# Altium PCB 2-quilter-output.PcbDoc (part 15 of 26)
Units mil, origin at the board's own origin, x right, y up, seen from the top; angles counter-clockwise.
Board outline 4130.55 x 4250 mil, 8 copper layers (L1, Ground L2, L3, Power L4, Ground L5, L6, Ground L7, L8), stack 62.985 mil thick; 591 components, 494 nets, 2245 pads, 1508 vias.
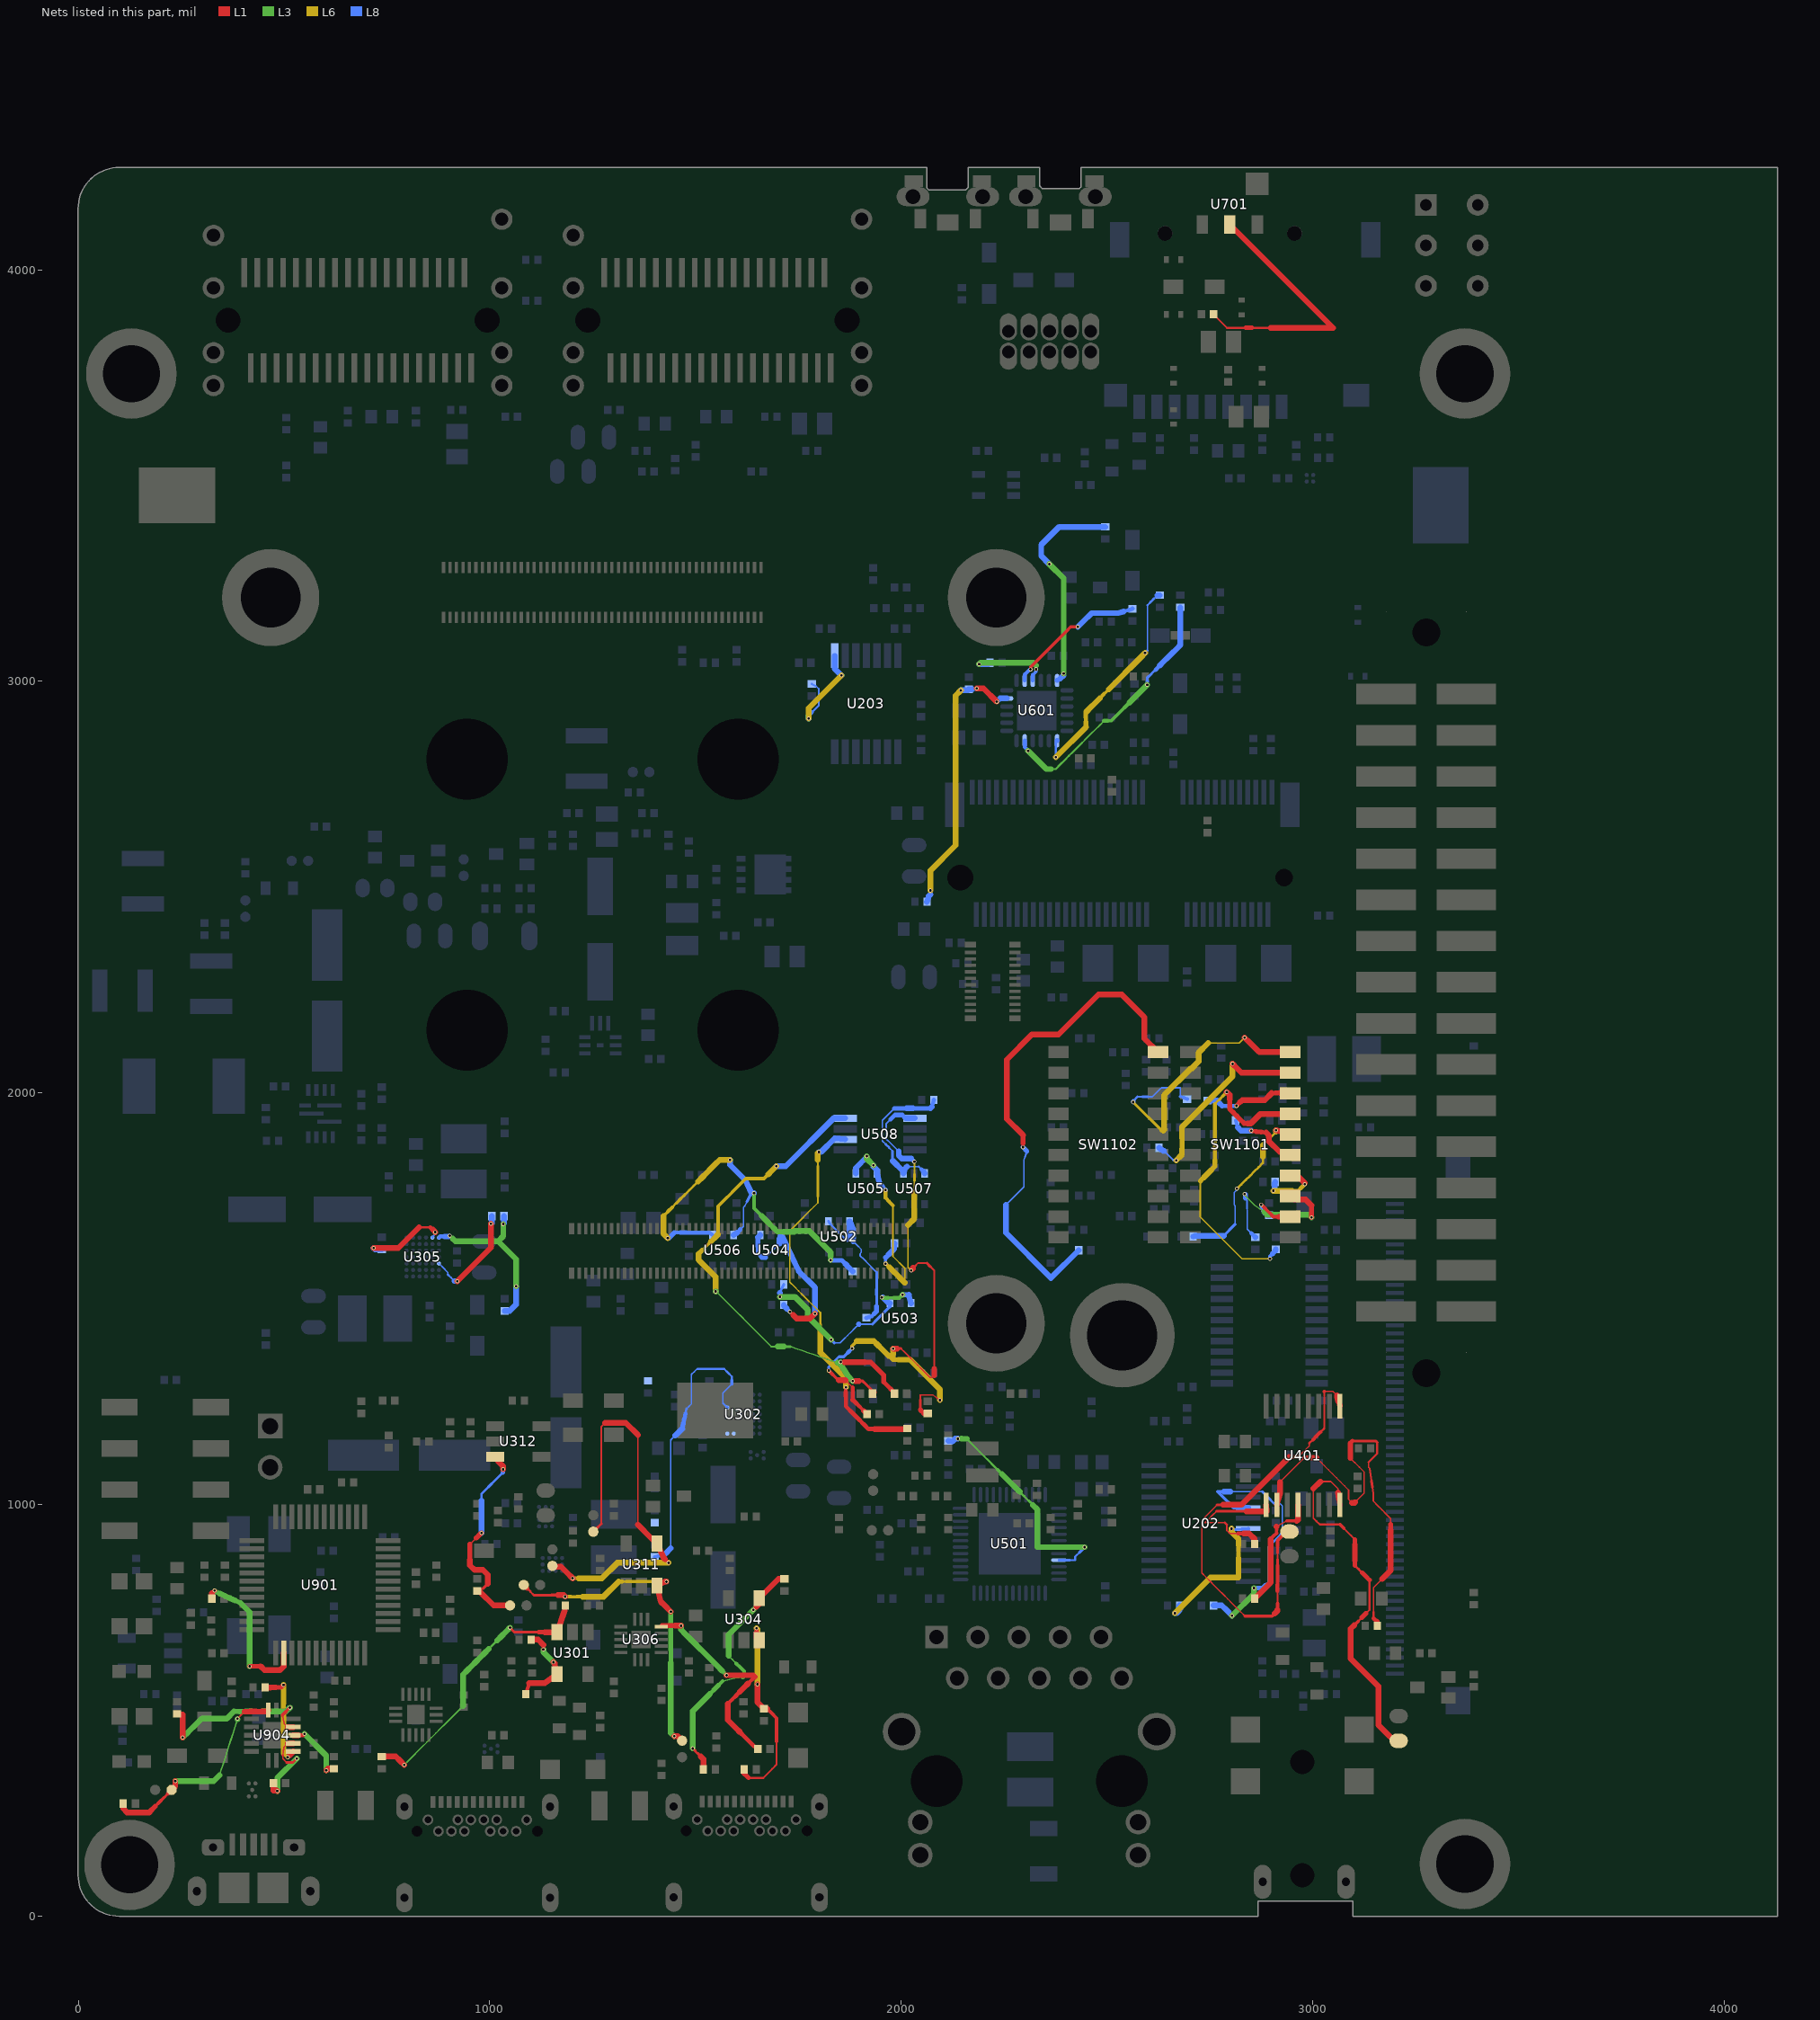
[diagram p21: the nets of this part, all layers, seen from the top]

## Via types
v1: diameter 9.85, hole 5.91, L1 to L8, tented both sides, 1508 vias

## Nets (pads, with @x,y where several pads share a name; then routed paths per layer and width w, separated by ;. In a path a pad name is that pad's centre, name@x,y a point inside that pad or via, vN(x,y) a via of type N, cw(c..) or ccw(c..) an arc to the next point about the centre after c; other vN are vias at no path point) (continued)
NetR212_2: R212.2 U202.5 | length 648.9
  L3 w14.05: v1(2804.55,729.19) 2857.74,782.38 v1(2857.74,796.41)
  L8 w3.5: 2907.6,1001.1 2921.78,1001.1 2926.75,996.13 2926.75,982.98 2926.75,969.83 2926.75,956.68 2926.75,943.54 2926.75,930.39
  L8 w3.83: 2800.5,1030.79 2815.98,1030.79 2831.47,1030.79 2846.95,1030.79 2862.43,1030.79 2877.91,1030.79
  L8 w5.87: 2877.91,1030.79 2887.81,1020.89 ; 2894.4,811.81 2894.4,826.18 2894.4,840.55 2894.4,854.92 2894.4,869.3 2894.4,883.67 2894.4,898.04 2905.18,908.82 2915.97,919.6 2926.75,930.39 ; 2897.7,1010.99 2907.6,1001.1
  L8 w6.9: 2887.81,1020.89 2897.7,1010.99
  L8 w7.92: 2785.02,1030.79 2769.54,1030.79 2779.24,1021.07 2788.94,1011.36 2798.65,1001.66 2808.36,991.95 U202.5@2820.29,991.95
  L8 w8.94: 2887.96,802.86 2894.4,809.31 2894.4,811.81
  L8 w10.99: v1(2857.74,796.41) 2869.62,796.41 2881.5,796.41
  L8 w14.05: R212.2@2759.8,754.16 2779.56,754.17 2792.05,741.68 v1(2804.55,729.19) ; 2785.02,1030.79 2800.5,1030.79 ; U202.5@2820.29,991.95 2832.23,991.95 U202.5@2844.15,991.96 ; 2881.51,796.41 2887.96,802.86
NetR213_2: R213.2 U202.7 | length 384.2
  L6 w10.99: 2820.14,869.16 2820.14,884.8 2820.14,900.45
  L6 w14.05: v1(2665.43,735.35) 2752.28,822.2 2820.14,822.21 2820.14,837.87 2820.14,853.51 2820.14,869.16 ; v1(2803.37,940.74) 2803.37,932.86 2820.14,916.09 2820.14,900.45
  L8 w6.9: v1(2803.37,940.74) 2805.34,938.77 2814.17,938.77 U202.7@2829.17,939.77
  L8 w8.94: U202.7@2829.17,939.77 U202.7@2844.15,940.78
  L8 w14.05: v1(2665.43,735.35) 2670.17,735.35 2676.85,742.03 R213.2@2676.85,754.16
NetR214_2: R214.2 U203.8 | length 295.7
  L6 w14.05: v1(1775.18,2909.42) 1775.18,2934.38 v1(1854.97,3014.16)
  L8 w3.83: 1793.64,2987.74 1799.92,2981.45
  L8 w4.85: R214.2@1782.9,2993.53 1793.64,2987.74 ; 1783.43,2924.6 1791.67,2932.85 1799.92,2941.1 1799.92,2954.55 1799.92,2968 1799.92,2981.45
  L8 w9.96: 1775.18,2916.36 1783.43,2924.6
  L8 w14.05: v1(1775.18,2909.42) 1775.18,2916.36 ; U203.8@1838.81,3062.02 1838.8,3030.33 1846.88,3022.25 v1(1854.97,3014.16)
NetR304_2: R304.2 R314.1 U301.4 | length 221
  L1 w7.92: v1(1130.48,647.38) 1130.48,658.21
  L1 w8.94: R314.1@1088.01,538.34 1092.11,552 1096.2,565.66
  L1 w14.05: 1096.21,565.66 1134.1,565.66 U301.4@1163.8,587.13 1157.79,613.23 v1(1154.65,616.37) ; R304.2@1100.93,671.14 1117.54,671.14 1130.48,658.21
  L3 w14.05: v1(1130.48,647.38) 1130.48,640.54 v1(1154.65,616.37)
NetR306_2: R306.2 R313.1 U301.3 | length 690.5
  L1 w6.9: v1(1049.49,700.16) 1060.52,689.13 1075.28,689.13 1090.03,689.13 1104.78,689.13 1119.54,689.13
  L1 w10.99: 1119.54,689.13 1134.29,689.13
  L1 w14.05: R306.2@737.82,387.09 771.74,387.09 781.94,376.88 v1(792.14,366.68) ; 1134.29,689.13 1149.05,689.13 U301.3@1163.8,689.13 1181.21,739.47 1182.77,741.03 1182.77,750.49 R313.1@1183.88,754.16
  L3 w3.5: v1(792.14,366.68) 803.17,377.71 814.2,388.73 825.22,399.76 836.25,410.79 847.28,421.81 858.3,432.84 869.33,443.86 880.36,454.89 891.38,465.92 902.41,476.94 913.44,487.97 924.46,499 935.49,510.02
  L3 w4.85: 997.67,648.34 1008.04,658.71
  L3 w5.87: 1008.04,658.71 1018.4,669.07
  L3 w14.05: 935.49,510.02 935.49,586.16 945.85,596.52 956.22,606.89 966.58,617.25 976.94,627.62 987.31,637.98 997.67,648.34 ; 1018.4,669.07 1028.76,679.44 1039.13,689.8 v1(1049.49,700.16)
NetR318_2: R318.2 R322.1 U304.4 | length 623.8
  L1 w5.87: 1499.88,400.15 1506.36,393.68
  L1 w6.9: v1(1493.4,406.63) 1499.88,400.15
  L1 w7.92: 1506.36,393.68 1512.83,387.2 ; v1(1641.22,743.66) 1648.37,750.81
  L1 w14.05: 1512.83,387.2 1519.31,380.72 R318.2@1519.31,355.72 ; 1648.37,750.81 1655.51,757.95 U304.4@1655.51,771.77 ; U304.4@1655.51,771.77 1702.46,818.72 1706.54,818.72 R322.1@1716.55,818.73
  L3 w3.5: 1566.12,570.03 1578.43,573.04 1590.73,576.06 1603.03,579.08 1615.33,582.09
  L3 w3.83: 1580.68,632.09 1590.08,622.7 1599.47,613.3
  L3 w8.94: 1555.74,559.64 1566.12,570.03 ; 1599.47,613.3 1608.86,603.91 1618.25,594.52 1618.26,585.01
  L3 w9.96: 1534.96,538.86 1545.35,549.25
  L3 w12.01: 1545.35,549.25 1555.74,559.64
  L3 w14.05: v1(1493.4,406.63) 1493.4,497.3 1503.79,507.69 1514.18,518.08 1524.57,528.47 1534.96,538.86 ; 1580.68,632.09 1580.68,683.13 v1(1641.22,743.66) ; 1615.34,582.09 1618.26,585.01
NetR319_2: R319.2 R321.1 U304.3 | length 494.1
  L1 w3.83: 1665.09,335.18 1675.86,345.96 1686.64,356.73
  L1 w4.85: 1629.37,335.18 1641.05,335.18 1653.07,335.18 1665.09,335.18 ; 1686.64,356.73 1697.41,367.51 1697.41,381.63 1697.41,395.75 1697.41,409.87 1697.41,423.99
  L1 w7.92: R321.1@1674.6,503.29 1682.2,495.68 ; 1689.81,488.08 1697.41,480.47 1697.41,466.35 1697.41,452.23 1697.41,438.11 1697.41,423.99
  L1 w8.94: U304.3@1648.76,687.65 v1(1648.76,698.77) ; 1682.2,495.68 1689.81,488.08
  L1 w10.99: 1618.84,345.71 1629.37,335.18
  L1 w14.05: 1618.84,345.71 R319.2@1618.84,355.72 ; U304.3@1648.76,687.65 1648.76,676.54 U304.3@1655.51,669.77 ; v1(1651.01,562.48) 1651.01,545.26 1651.01,519.05 R321.1@1666.78,503.3 R321.1@1674.6,503.29
  L6 w14.05: v1(1648.76,698.77) 1651.01,696.53 v1(1651.01,562.48)
NetR327_1: R327.1 U306.5 | length 519.3
  L1 w8.94: 1578.59,514.94 1588.54,524.89 1598.49,534.84
  L1 w9.96: U306.5@1417.4,702.65 U306.5@1419.6,704.87 ; 1618.91,435.75 1628.99,425.67 1639.07,415.59 R327.1@1649.15,405.51 ; 1628.33,564.68 1638.28,574.63 1644.23,580.58
  L1 w10.99: 1598.49,534.84 1608.44,544.79 ; 1608.83,445.83 1618.91,435.75
  L1 w12.01: U306.5@1419.6,704.87 1429.11,704.87 1438.63,704.87 1451.12,704.87
  L1 w14.05: 1451.12,704.87 v1(1465.32,704.87) ; v1(1575.87,584.6) 1590.34,584.6 1604.81,584.6 1619.28,584.6 1633.75,584.6 1640.22,584.6 1644.23,580.59 ; 1578.59,514.94 1578.59,476.07 1588.67,465.99 1598.75,455.91 1608.83,445.83 ; 1608.44,544.79 1618.38,554.74 1628.33,564.68 ; R327.1@1649.15,405.51 R327.1@1652.02,405.53
  L3 w9.96: 1564.82,595.66 v1(1575.87,584.6)
  L3 w14.05: v1(1465.32,704.87) 1465.32,695.16 1476.37,684.1 1487.43,673.05 1498.48,661.99 1509.54,650.93 1520.6,639.88 1531.65,628.82 1542.71,617.77 1553.76,606.71 1564.82,595.66
NetR328_2: R328.2 U302.A2
NetR329_2: R329.2 U302.E1 | length 685.6
  L8 w3.5: 1440.32,892.99 1440.32,899.04 1440.32,914.18 1440.32,929.31 1440.32,944.45 1440.32,959.58 1440.32,974.72 1440.32,989.85 1440.32,1004.99 1440.32,1020.13 1440.32,1035.26 1440.32,1050.4 1440.32,1065.53 1440.32,1080.67 1440.32,1095.8 1440.32,1110.94 1440.32,1126.07 1440.32,1141.21 1440.32,1156.34 ; 1478.62,1232.13 1484.64,1238.15 1490.66,1244.17 1490.66,1258.43 1490.66,1272.69 1490.66,1286.95 1490.66,1301.21 1490.66,1315.47 ; U302.E1@1577.63,1235.07 1566.77,1245.94 1566.77,1258.35 1566.77,1270.76 1577.01,1280.99 1587.24,1291.23 1588.38,1292.37
  L8 w3.83: 1490.66,1315.47 1497.3,1322.12 1503.94,1328.76 1505.27,1328.76
  L8 w4.85: 1440.32,1156.34 1451.42,1167.45 ; 1505.27,1328.76 1518.26,1328.76 ; 1557.21,1328.76 1570.19,1328.76 1579.28,1319.66 1588.38,1310.56 1588.38,1301.47
  L8 w5.87: 1476.13,1220.86 1478.62,1232.13 ; 1518.26,1328.76 1531.24,1328.76 1544.22,1328.76 1557.21,1328.76
  L8 w7.92: U302.E1@1577.64,1234.75 U302.E1@1577.63,1235.07 ; 1588.38,1292.37 1588.38,1301.47
  L8 w8.94: R329.2@1401.36,872.21 1414.35,876.12
  L8 w9.96: 1414.35,876.12 1427.33,880.01 ; 1473.42,1208.58 1476.13,1220.86
  L8 w10.99: 1470.71,1196.31 1473.42,1208.58
  L8 w12.01: 1467.99,1184.04 1470.71,1196.31
  L8 w14.05: 1427.34,880.01 1440.32,892.99 ; 1451.42,1167.45 1462.53,1178.56 1467.99,1184.02
NetR330_2: R330.2 U305.A2 | length 213.4
  L1 w5.87: 828.41,1673.19 842.21,1673.19 856,1673.19
  L1 w9.96: 856,1673.19 861.86,1667.33
  L1 w14.05: v1(717.77,1622.57) 777.8,1622.57 828.41,1673.19 ; 861.86,1667.33 v1(867.72,1661.46)
  L8 w4.85: U305.A2@860.97,1650.21 v1@867.72,1656.96
  L8 w5.87: U305.A2@860.97,1648.08 U305.A2@860.97,1650.21 ; v1@867.72,1656.96 v1(867.72,1661.46)
  L8 w13.03: v1(717.77,1622.57) v1@718.37,1622.57
  L8 w14.05: v1@718.37,1622.57 721.67,1619.27 R330.2@737.82,1619.28
NetR331_1: R331.1 R354.2 U305.A1 | length 424.6
  L3 w7.92: v1(903.04,1652.79) 909.91,1645.91
  L3 w13.03: 1053.33,1606.13 1064.3,1595.16
  L3 w14.05: 909.91,1645.91 916.79,1639.04 1020.42,1639.04 ; v1(1033.1,1681.07) 1033.1,1651.72 1020.42,1639.04 ; 1053.33,1606.13 1042.36,1617.1 1031.39,1628.07 1020.42,1639.04 ; v1(1064.3,1529.8) 1064.3,1595.16
  L8 w7.92: U305.A1@876.72,1648.08 U305.A1@879.62,1650.96 ; v1@901.21,1650.96 v1(903.04,1652.79)
  L8 w9.96: U305.A1@879.62,1650.96 890.42,1650.96
  L8 w13.03: 890.42,1650.96 v1@901.21,1650.96
  L8 w14.05: v1(1033.1,1681.07) 1034.59,1682.56 R331.1@1034.59,1700.43 ; R354.2@1036.41,1469.87 1048.54,1469.86 1064.3,1485.62 1064.3,1508.77 v1(1064.3,1529.8)
NetR331_2: R331.2 U305.E1 | length 258.3
  L1 w14.05: v1(921.44,1542.22) 1003.3,1624.08 v1(1003.3,1681.59)
  L8 w3.5: U305.E1@876.72,1585.09 887.27,1574.56 897.81,1564.02 897.81,1558.87
  L8 w4.85: 897.81,1558.87 906.13,1550.55 914.46,1542.22
  L8 w13.03: 914.46,1542.22 v1(921.44,1542.22)
  L8 w14.05: v1(1003.3,1681.59) 1005.06,1683.36 R331.2@1005.06,1700.43
NetR353_2: R353.2 U302.A1
NetR355_2: R355.2 R361.2 U312.3 | length 503.4
  L1 w3.5: 951.97,902.54 959.64,910.2 967.31,917.87
  L1 w5.87: R355.2@977.31,792.45 984.55,795.7
  L1 w6.9: 984.55,795.7 995.48,806.63
  L1 w8.94: R355.2@970.06,789.21 R355.2@977.31,792.45
  L1 w12.01: 951.97,864.52 951.97,877.19 951.97,889.86 951.97,902.54 ; 967.31,917.87 973.64,924.2 v1(979.97,930.54)
  L1 w14.05: 951.97,864.52 951.97,851.84 963.17,840.65 983.34,840.65 995.48,828.5 995.48,806.64 ; R355.2@970.06,789.21 977.9,785.67 1009.42,754.16 R361.2@1049.59,754.16 ; U312.3@1013.49,1115.2 1021.71,1103.19 1032.45,1092.45 v1(1032.45,1084.87)
  L8 w5.87: 979.97,1009.33 979.97,1025.09 990.47,1035.59 1000.96,1046.08 1011.46,1056.57 1021.95,1067.07 1032.45,1077.56
  L8 w10.99: 1032.45,1077.56 v1(1032.45,1084.87)
  L8 w14.05: v1(979.97,930.54) 979.97,946.3 979.97,962.06 979.97,977.81 979.97,993.57 979.97,1009.33
NetR356_2: R356.2 R357.1 U311.3 | length 803.6
  L1 w4.85: 1099.29,787.44 1107.55,779.18
  L1 w5.87: R357.1@1091.03,795.7 1099.29,787.44 ; 1107.55,779.18 1122.01,779.18 1136.47,779.18 1150.93,779.18
  L1 w7.92: 1150.93,779.18 1165.4,779.18
  L1 w10.99: R357.1@1082.77,803.97 R357.1@1091.03,795.7
  L1 w13.03: 1179.86,779.18 v1(1183.53,775.51)
  L1 w14.05: 1165.4,779.18 1179.86,779.18 ; v1@1426.22,811.95 U311.3@1406.69,802.55 1415.64,763.82 1425.78,753.67 v1(1440.37,739.08) ; v1@1426.23,811.96 v1(1429.69,811.96) ; v1(1448.51,436.23) 1457.04,436.23 R356.2@1467.72,425.53
  L3 w10.99: 1440.37,614.99 1440.37,630.5 1440.37,646.01
  L3 w12.01: 1440.37,646.01 1440.37,661.53 1440.37,677.04 1440.37,692.55 1440.37,708.06 1440.37,723.57 v1(1440.37,739.08)
  L3 w14.05: 1440.37,614.99 1440.37,599.48 1440.37,583.97 1440.37,568.46 1440.37,552.95 1440.37,537.44 1440.37,521.93 1440.37,506.42 1440.37,490.91 1440.37,475.4 1440.37,459.89 1440.37,444.37 v1(1448.51,436.23)
  L6 w5.87: 1321.63,811.96 1332.3,811.96
  L6 w7.92: 1197.59,775.51 1211.65,775.51 ; 1332.3,811.96 1346.22,811.96 1360.13,811.96 1374.04,811.96 1387.95,811.96 1401.86,811.96 1415.77,811.96 v1(1429.69,811.96)
  L6 w8.94: v1(1183.53,775.51) 1197.59,775.51 ; 1211.65,775.51 1225.71,775.51
  L6 w9.96: 1313.32,811.96 1321.63,811.96
  L6 w14.05: 1225.71,775.51 1239.77,775.51 1253.82,775.51 1267.88,775.51 1276.87,775.51 1313.32,811.96
NetR358_2: R358.2 R359.1 U311.4 | length 1017.1
  L1 w3.5: 1360.08,950.51 1360.08,966.11 1360.08,981.71 1360.08,997.3 1360.08,1012.9 1360.08,1028.49 1360.08,1044.09 1360.08,1059.69 1360.08,1075.28 1360.08,1090.88 1360.08,1106.48 1360.08,1122.07 1360.08,1137.67 1360.08,1153.27 1360.08,1168.86
  L1 w3.83: 1271.54,952.84 1271.54,968.6 1271.54,984.35 1271.54,1000.1 1271.54,1015.85 1271.54,1031.6 1271.54,1047.35 1271.54,1063.11 1271.54,1078.86 1271.54,1094.61 1271.54,1110.36 1271.54,1126.11 1271.54,1141.87 1271.54,1157.62 1271.54,1173.37 1271.54,1189.12 1280.56,1198.14
  L1 w5.87: 1261.82,943.12 1271.54,952.84
  L1 w7.92: R359.1@1252.07,933.38 1261.82,943.12
  L1 w8.94: 1425.4,867.38 v1(1435.01,857.77)
  L1 w14.05: R358.2@1152.53,850.37 1165.12,848.27 1173.65,848.27 1187.58,834.34 v1(1201.51,820.4) ; 1280.56,1198.14 1330.81,1198.14 1360.08,1168.86 ; 1360.09,950.5 1393.19,917.4 1406.69,904.55 1422.81,869.97 1425.4,867.38
  L6 w8.94: v1(1201.51,820.4) 1215.83,820.4
  L6 w14.05: 1215.83,820.4 1230.14,820.4 1244.45,820.4 1258.76,820.4 1273.07,820.4 1310.44,857.77 v1(1435.01,857.77)
NetR401_2: R401.2 U401.10 | length 1052.6
  L1 w3.5: 2921.42,1054.18 2931.27,1064.03 2941.11,1073.87 2950.96,1083.71 2960.8,1093.56 2970.65,1103.4 2980.49,1113.25 ; 3009.46,1113.25 3019.27,1103.44 3029.08,1093.63 3038.88,1083.82 3048.69,1074.01 3058.5,1064.21 3068.31,1054.4 3078.12,1044.59 3087.93,1034.78 3087.93,1023.39 3087.93,1011.99 3096.25,1003.67 ; 3102.93,1101.32 3114.01,1090.24 3125.08,1079.17 3125.86,1072.31 3125.86,1057.3 3125.86,1042.28 3125.86,1027.26 3115.1,1016.5 3104.34,1005.74 ; 3136.54,1102.4 3136.54,1089.86 3138.98,1087.42 3139.13,1086.95 3141.3,1071.83 3143.47,1056.72 ; 3145.64,1041.6 3147.81,1026.49 3147.81,1017.04 3147.81,1007.59
  L1 w3.83: 3091.86,1112.39 3102.93,1101.32 ; 3147.81,1007.59 3158.36,997.04 3168.91,986.49 3179.45,975.94 3190,965.39 3190,951.36 ; 3148.43,737.99 3148.43,752.88 3148.43,767.76 3148.43,782.65 3148.43,797.54 3158.82,807.93 3169.22,818.32
  L1 w4.85: 3136.54,1102.4 3146.85,1112.71 3157.16,1123.02 3157.16,1136.64 3157.16,1150.27
  L1 w5.87: 3143.47,1056.72 3145.64,1041.6 ; 3148.43,723.1 3148.43,737.99
  L1 w6.9: 3097.37,1153.86 3111.42,1153.86 3125.47,1153.86 3139.52,1153.86 3153.57,1153.86 3157.16,1150.27
  L1 w9.96: 3091.86,1148.35 3097.37,1153.86 ; 3148.43,723.1 3156.79,714.74
  L1 w10.99: 2980.49,1113.25 2994.97,1113.25
  L1 w12.01: 3102.79,1004.19 3104.34,1005.74 ; R401.2@3156.79,708.19 3156.79,714.74 ; 3190,937.33 3190,951.36
  L1 w13.03: 3091.86,1112.39 3091.86,1124.38 3091.86,1136.36 3091.86,1148.35
  L1 w14.05: U401.10@2913.26,998.52 2921.42,1027.54 2921.42,1054.18 ; 2994.97,1113.25 3009.46,1113.25 ; 3096.25,1003.67 3102.26,1003.67 3102.78,1004.19 ; R401.2@3156.79,708.19 R401.2@3157.92,704.36 ; 3169.22,818.32 3179.61,828.72 3190.01,839.11 3190,853.15 3190,867.18 3190,881.21 3190,895.24 3190,909.27 3190,923.3 3190,937.33
NetR402_2: R402.2 U401.9 | length 333.7
  L1 w3.5: 2766.71,982.94 2757.5,973.73 2748.29,964.52 2739.08,955.31 2751.07,955.3 2763.04,955.3 2775.02,955.3 2787,955.3
  L1 w3.83: 2791.74,950.56 2791.74,939.83 2791.74,936.45 2799.1,929.09 2805.3,929.09 2818.86,929.09
  L1 w5.87: 2787,955.3 2791.74,950.56
  L1 w6.9: 2766.71,982.94 2781.19,982.94 2795.68,982.94 2810.16,982.94 2824.65,982.94 2839.13,982.94
  L1 w8.94: 2818.86,929.09 2832.41,929.09
  L1 w14.05: 2832.41,929.09 2845.97,929.09 2859.33,915.72 R402.2@2859.33,903.58 ; 2839.13,982.94 2853.62,982.94 2868.1,982.94 2888.69,982.94 U401.9@2887.66,998.52
NetR403_1: R403.1 U401.16 | length 884.4
  L1 w3.5: 3002.16,966.34 3002.16,980.71 3002.16,995.08 3002.16,1009.45 3002.16,1023.82 3002.16,1038.19 ; 3019.22,1055.26 3031.9,1055.26 3044.57,1055.26 3053.24,1046.59 3061.91,1037.92 U401.16@3061.91,1028.5
  L1 w3.83: 3002.16,966.34 3009.94,958.56 ; 3076.1,941.77 3085.12,932.75 3094.14,923.73
  L1 w4.85: 3009.94,958.56 3017.72,950.79 3030.06,950.79 3042.4,950.79 3054.74,950.79 3067.09,950.79 ; 3094.14,923.73 3103.16,914.71 ; 3111.11,715.75 3120.34,724.99 ; 3129.57,734.22 3138.81,743.46 3138.81,757.92 3138.81,772.38 3138.81,786.84 3138.81,801.3
  L1 w5.87: 3103.16,851.42 3112.07,842.5 3120.98,833.59 ; 3138.81,801.3 3138.81,815.77
  L1 w7.92: 3067.09,950.79 3076.1,941.77 ; 3101.87,706.52 3111.11,715.75
  L1 w10.99: 3103.16,851.42 3103.16,864.08 ; 3103.16,902.06 3103.16,914.71 ; 3120.98,833.59 3129.89,824.68 3138.81,815.77
  L1 w12.01: U401.16@3064.39,1013.5 U401.16@3066.86,998.52 ; 3120.34,724.99 3129.57,734.22
  L1 w14.05: 3002.16,1038.19 3019.22,1055.26 ; U401.16@3061.91,1028.5 U401.16@3064.39,1013.5 ; 3101.87,706.52 3092.64,697.29 3092.64,624.92 3160.07,557.49 3160.07,463.62 3188.45,435.24 R403.1@3209.52,425.33 ; 3103.16,864.08 3103.16,876.74 3103.16,889.4 3103.16,902.06
NetR404_1: R404.1 U401.1 | length 1114.4
  L1 w3.5: 2768.13,998.69 2758.85,989.41 2749.56,980.12 2740.28,970.84 2730.99,961.55 2730.99,947.27 2730.99,932.98 2730.99,918.7 2730.99,904.42 2730.99,890.13 2730.99,875.85 2730.99,861.57 2730.99,847.29 2730.99,833 2741.48,822.51 2751.98,812.02 2762.47,801.52 2772.96,791.03 2783.46,780.54 2793.95,770.04 2804.44,759.55 2814.94,749.06 2825.43,738.56 2835.92,728.07 ; 2964.77,1114.41 2973.9,1123.54 2983.04,1132.68 2992.17,1141.81 2992.17,1148.08 ; 3029.25,1274.33 3039.47,1274.33 3049.7,1274.33 3058.27,1265.76 3059.78,1264.25
  L1 w3.83: 2915.16,758.76 2915.16,774.1 ; 2915.16,866.16 2915.16,881.5 ; 3028.59,1199.35 3028.59,1214.22 3028.59,1229.08 3028.59,1243.95 3028.59,1258.81 3028.59,1273.67
  L1 w4.85: 2915.16,774.1 2915.16,789.45 ; 3028.59,1184.49 3028.59,1199.35
  L1 w5.87: 2915.16,850.82 2915.16,866.16 ; 2915.16,881.5 2915.16,896.84 ; 2992.17,1148.08 3001.28,1157.18 ; 3019.49,1175.39 3028.59,1184.49
  L1 w6.9: 2768.13,998.69 2782.99,998.69
  L1 w7.92: 2835.92,728.07 2849.13,728.07 2862.33,728.07 2875.54,728.07 2888.74,728.07 2901.95,728.07 2908.56,734.67 ; 3028.59,1273.67 3029.25,1274.33
  L1 w8.94: 2915.16,743.42 2915.16,758.76 ; 2915.16,804.79 2915.16,820.13 2915.16,835.47 2915.16,850.82 ; 2915.16,896.84 2915.16,912.19 2922.51,919.54 R404.1@2929.87,926.89 ; 3001.28,1157.18 3010.38,1166.28 3019.49,1175.39
  L1 w9.96: 2915.16,789.45 2915.16,804.79 ; 2943.26,1114.41 2954.01,1114.41 2964.77,1114.41
  L1 w13.03: U401.1@3063.32,1249.56 U401.1@3066.86,1238.52
  L1 w14.05: 2782.99,998.69 2797.84,998.69 2812.69,998.69 2827.55,998.69 2943.26,1114.41 ; 2908.56,734.67 2915.16,741.28 2915.16,743.42 ; R404.1@2929.87,926.89 R404.1@2944.1,933.58 ; 3059.78,1264.25 3059.78,1260.62 U401.1@3063.32,1249.56
NetR406_1: R406.1 U401.12 | length 290
  L1 w3.5: 2912.79,945.93 2925.33,952.75 2937.87,959.57
  L1 w7.92: 2912.79,929.93 2912.79,937.93 ; 2937.87,959.57 2951.17,959.57 2962.09,959.57
  L1 w8.94: 2898.3,915.44 2905.58,922.72 2912.79,929.93 ; 2912.79,937.93 2912.79,945.92
  L1 w14.05: R406.1@2859.33,770.76 2898.3,809.72 2898.3,915.44 ; 2962.09,959.57 2964.47,961.95 U401.12@2964.46,998.52
NetR515_1: R515.1 U501.9 | length 578.1
  L3 w4.85: 2159.51,1159.19 2170.25,1148.45 2180.98,1137.72 2191.72,1126.98 2202.45,1116.25 2213.19,1105.51 2223.92,1094.78 2234.66,1084.04 ; 2299.06,1019.64 2309.8,1008.9
  L3 w5.87: 2288.33,1030.37 2299.06,1019.64 ; 2309.8,1008.9 2320.53,998.17
  L3 w7.92: 2234.66,1084.04 2245.39,1073.31
  L3 w8.94: v1(2137.86,1159.19) 2146.6,1159.19
  L3 w14.05: 2146.6,1159.19 2159.51,1159.19 ; 2245.39,1073.31 2256.13,1062.57 2266.86,1051.84 2277.59,1041.11 2288.33,1030.37 ; 2320.53,998.17 2331.27,987.43 2331.27,895.87 ; 2331.28,895.85 v1(2446.37,895.85)
  L8 w4.85: 2410.09,864.33 2423.31,864.33 2423.31,872.79 2433.83,883.31
  L8 w5.87: U501.9@2383.64,864.34 2396.87,864.33 2410.09,864.33
  L8 w7.92: 2433.83,883.31 2440.1,889.58 v1(2446.37,895.85)
  L8 w14.05: R515.1@2114.67,1154.44 2124.93,1152.55 2131.57,1159.19 v1(2137.86,1159.19)
NetR526_1: R526.1 U508.6 | length 954
  L1 w8.94: 1865.81,1273.74 v1(1865.81,1284.46)
  L1 w9.96: 1865.81,1263.02 1865.81,1250.46 1865.81,1237.89 1876.82,1226.88 ; 1898.83,1204.87 1909.84,1193.86
  L1 w10.99: 1865.81,1263.02 1865.81,1273.74 ; 1876.82,1226.88 1887.83,1215.88 1898.83,1204.87 ; 1909.84,1193.86 1920.85,1182.85 1936.16,1182.85
  L1 w14.05: 1936.16,1182.85 1951.46,1182.85 1966.77,1182.85 1982.08,1182.85 1997.38,1182.85 2012.7,1182.85 R526.1@2015.16,1183.96
  L6 w3.5: 1797.63,1732.68 1787.91,1722.96 1778.19,1713.24 1768.47,1703.52 1758.75,1693.8 1749.03,1684.08 1739.31,1674.36 1729.59,1664.64 1729.59,1649.03 1729.59,1633.43 1729.59,1617.82 1729.59,1602.21 1729.59,1586.61 1729.59,1571 1729.59,1555.39 1729.59,1539.79 1740.2,1529.18 1750.8,1518.58 1761.41,1507.97 1772.01,1497.36 1782.62,1486.76 1793.23,1476.15 1803.83,1465.55